# Altium PCB PCM2912_CODEC_PANEL.PcbDoc (part 1 of 3) (continued)
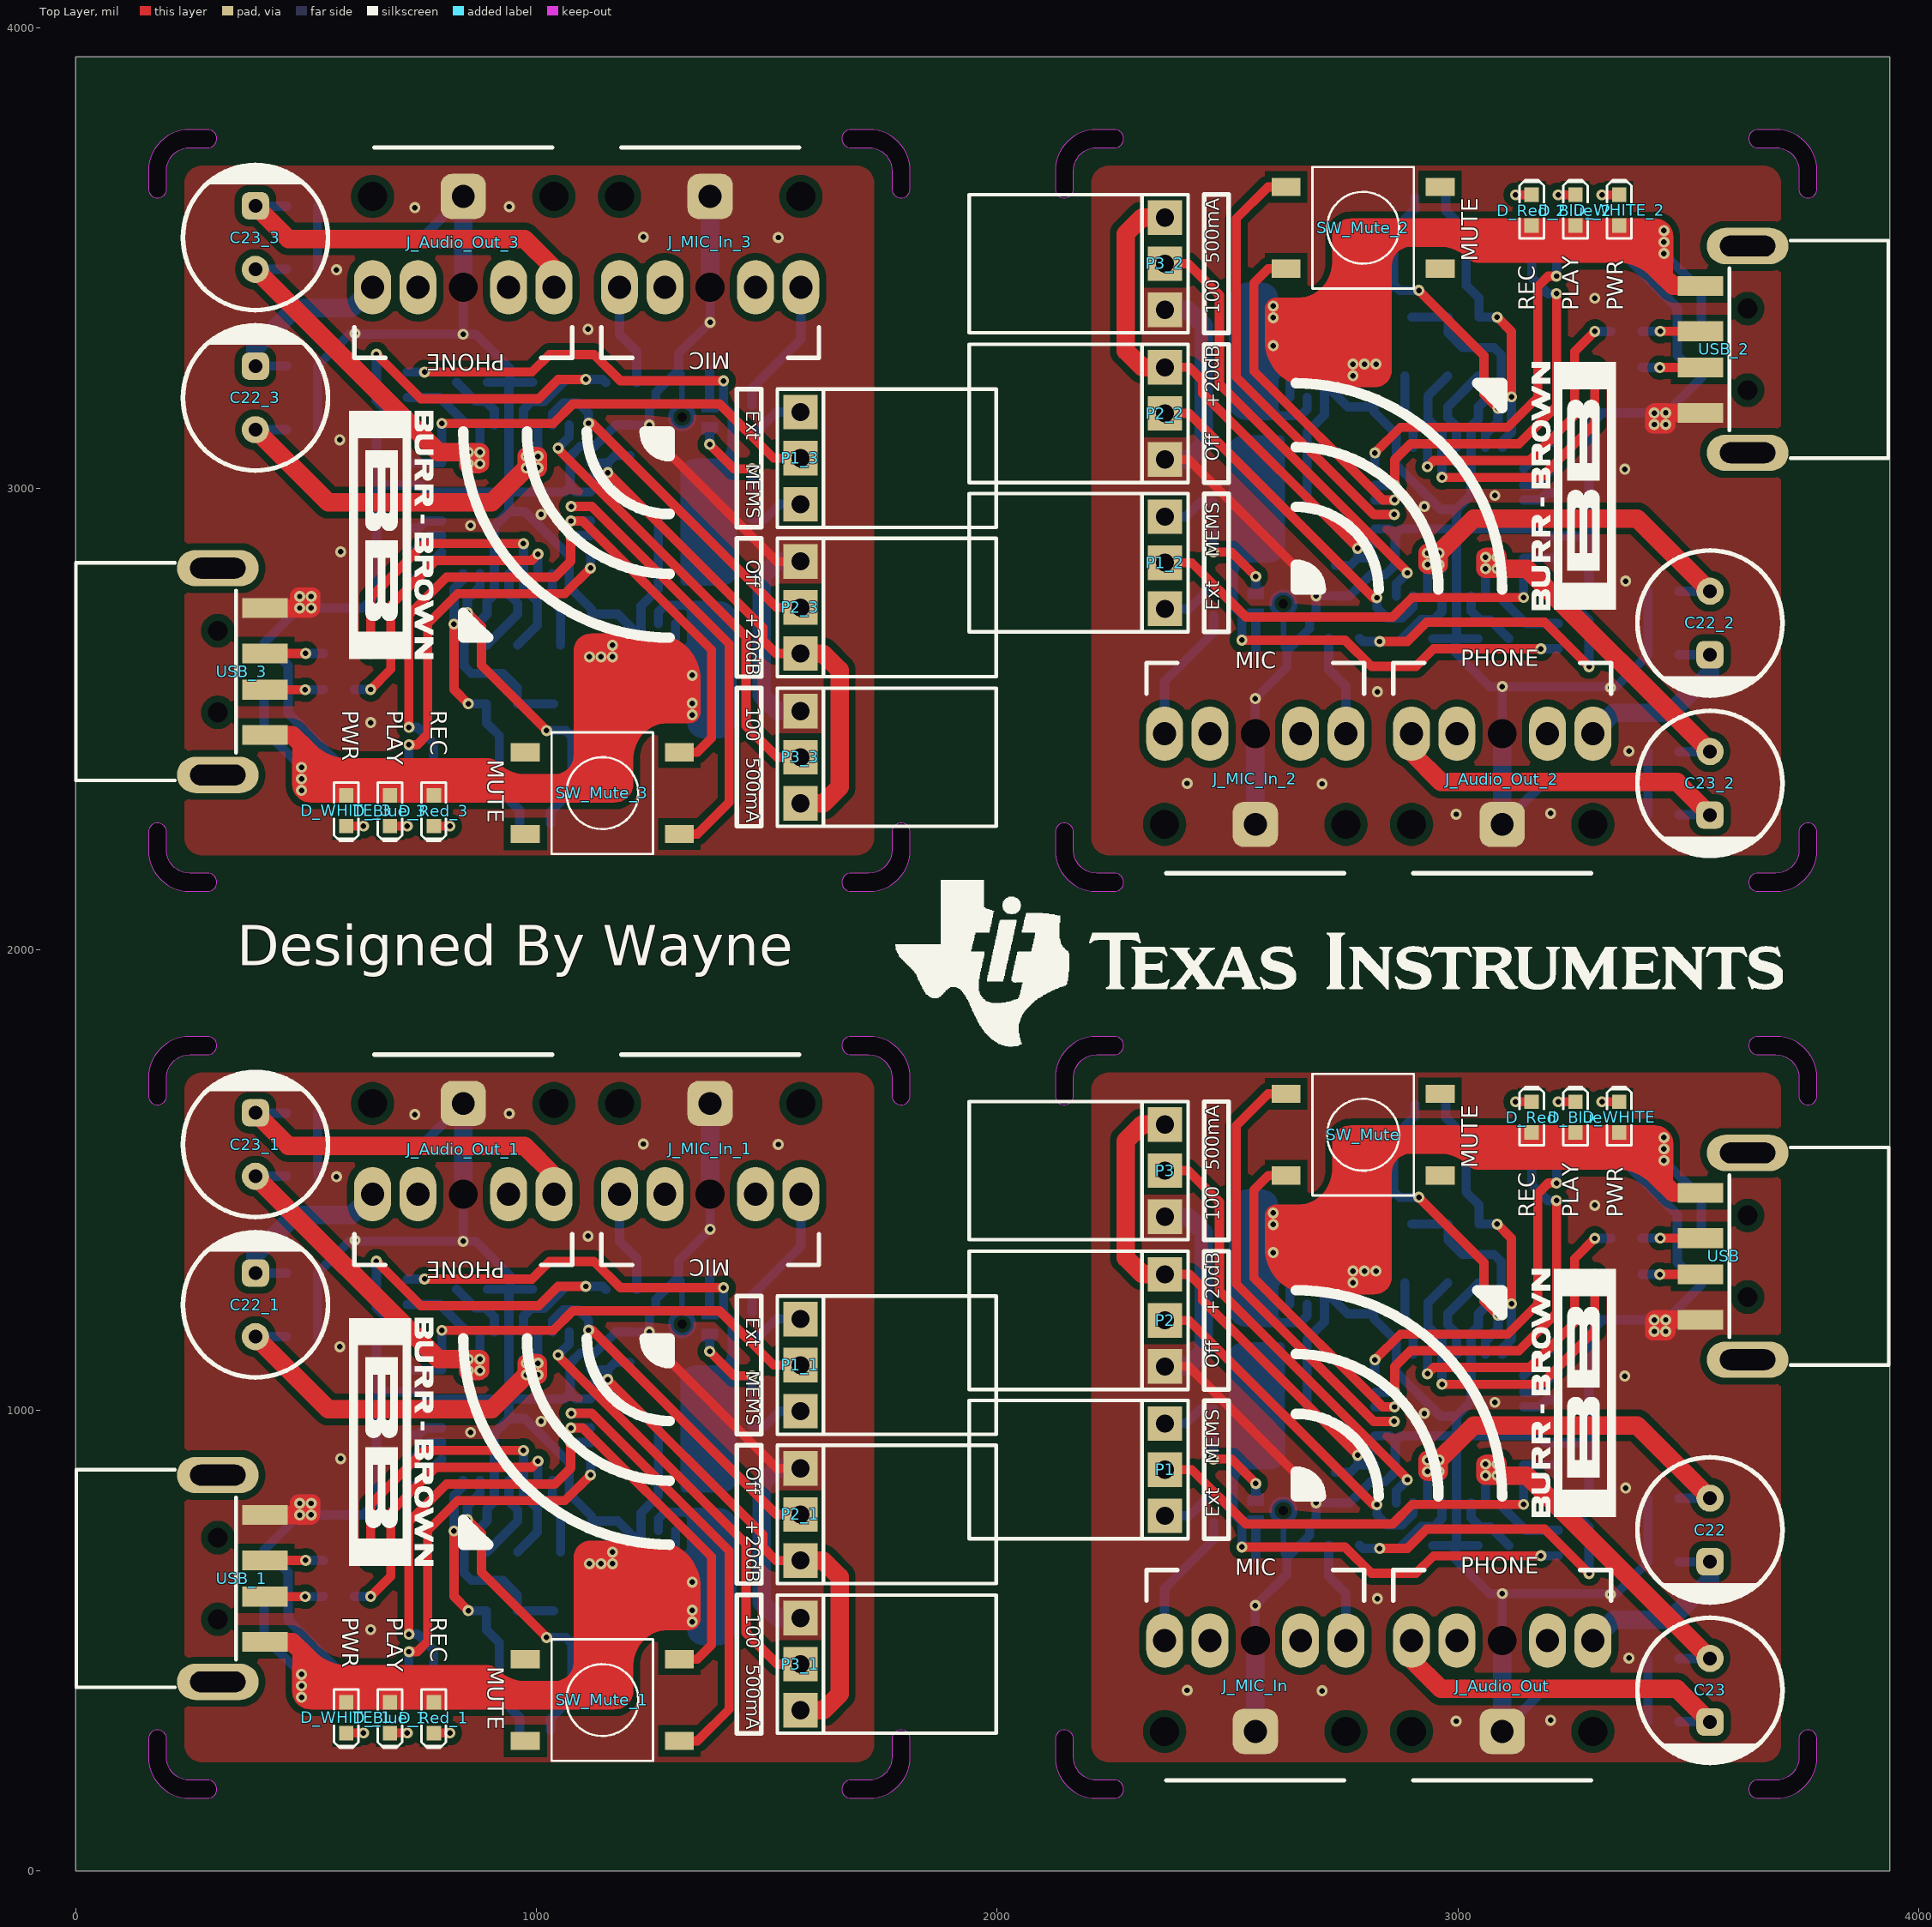
[diagram p0: Top Layer view]
## Components (designator, comment, footprint, x,y, rotation, side; value= is the part's Value field where it differs from the comment) (continued)
C13_3 "Cap_0603" CAP_0603 1297.85,2567.41 r180 bottom (schematic designator C13)
C14 "Cap_0603" CAP_0603 2639.16,1314.52 r0 bottom
C14_1 "Cap_0603" CAP_0603 1297.85,653.98 r180 bottom (schematic designator C14)
C14_2 "Cap_0603" CAP_0603 2639.16,3283.03 r0 bottom (schematic designator C14)
C14_3 "Cap_0603" CAP_0603 1297.85,2622.49 r180 bottom (schematic designator C14)
C15 "Cap_0603" CAP_0603 2639.16,1043.05 r0 bottom
C15_1 "Cap_0603" CAP_0603 1297.85,925.45 r180 bottom (schematic designator C15)
C15_2 "Cap_0603" CAP_0603 2639.16,3011.56 r0 bottom (schematic designator C15)
C15_3 "Cap_0603" CAP_0603 1297.85,2893.96 r180 bottom (schematic designator C15)
C16 "Cap_0603" CAP_0603 2639.16,987.85 r0 bottom
C16_1 "Cap_0603" CAP_0603 1297.85,980.65 r180 bottom (schematic designator C16)
C16_2 "Cap_0603" CAP_0603 2639.16,2956.35 r0 bottom (schematic designator C16)
C16_3 "Cap_0603" CAP_0603 1297.85,2949.16 r180 bottom (schematic designator C16)
C17 "Cap_0603" CAP_0603 3528.16,1333.85 r90 bottom
C17_1 "Cap_0603" CAP_0603 408.85,634.65 r270 bottom (schematic designator C17)
C17_2 "Cap_0603" CAP_0603 3528.16,3302.35 r90 bottom (schematic designator C17)
C17_3 "Cap_0603" CAP_0603 408.85,2603.16 r270 bottom (schematic designator C17)
C18 "Cap_0603" CAP_0603 2851.16,1208.85 r0 bottom
C18_1 "Cap_0603" CAP_0603 1085.85,759.65 r180 bottom (schematic designator C18)
C18_2 "Cap_0603" CAP_0603 2851.16,3177.35 r0 bottom (schematic designator C18)
C18_3 "Cap_0603" CAP_0603 1085.85,2728.16 r180 bottom (schematic designator C18)
C19 "Cap_0603" CAP_0603 2595.16,678.85 r180 bottom
C19_1 "Cap_0603" CAP_0603 1341.85,1289.65 r0 bottom (schematic designator C19)
C19_2 "Cap_0603" CAP_0603 2595.16,2647.35 r180 bottom (schematic designator C19)
C19_3 "Cap_0603" CAP_0603 1341.85,3258.16 r0 bottom (schematic designator C19)
C20 "Cap_0603" CAP_0603 2469.16,789.85 r270 bottom
C20_1 "Cap_0603" CAP_0603 1467.85,1178.65 r90 bottom (schematic designator C20)
C20_2 "Cap_0603" CAP_0603 2469.16,2758.35 r270 bottom (schematic designator C20)
C20_3 "Cap_0603" CAP_0603 1467.85,3147.16 r90 bottom (schematic designator C20)
C21 "Cap_0603" CAP_0603 3251.16,812.85 r180 bottom
C21_1 "Cap_0603" CAP_0603 685.85,1155.65 r0 bottom (schematic designator C21)
C21_2 "Cap_0603" CAP_0603 3251.16,2781.35 r180 bottom (schematic designator C21)
C21_3 "Cap_0603" CAP_0603 685.85,3124.16 r0 bottom (schematic designator C21)
C22 "Capacitor" CAP_ELEC_F3.5_D8_H11.5 3547.16,808.85 r270 top
C22_1 "Capacitor" CAP_ELEC_F3.5_D8_H11.5 389.85,1159.65 r90 top (schematic designator C22)
C22_2 "Capacitor" CAP_ELEC_F3.5_D8_H11.5 3547.16,2777.35 r270 top (schematic designator C22)
C22_3 "Capacitor" CAP_ELEC_F3.5_D8_H11.5 389.85,3128.16 r90 top (schematic designator C22)
C23 "Capacitor" CAP_ELEC_F3.5_D8_H11.5 3547.16,460.85 r270 top
C23_1 "Capacitor" CAP_ELEC_F3.5_D8_H11.5 389.85,1507.65 r90 top (schematic designator C23)
C23_2 "Capacitor" CAP_ELEC_F3.5_D8_H11.5 3547.16,2429.35 r270 top (schematic designator C23)
C23_3 "Capacitor" CAP_ELEC_F3.5_D8_H11.5 389.85,3476.16 r90 top (schematic designator C23)
D_Blue "LED_0603_BLUE" LED_0603_BLUE 3255.16,1635.85 r90 top
D_Blue_1 "LED_0603_BLUE" LED_0603_BLUE 681.85,332.65 r270 top (schematic designator D_Blue)
D_Blue_2 "LED_0603_BLUE" LED_0603_BLUE 3255.16,3604.35 r90 top (schematic designator D_Blue)
D_Blue_3 "LED_0603_BLUE" LED_0603_BLUE 681.85,2301.16 r270 top (schematic designator D_Blue)
D_Red "LED_0603_RED" LED_0603_RED 3160.16,1635.85 r90 top
D_Red_1 "LED_0603_RED" LED_0603_RED 776.85,332.65 r270 top (schematic designator D_Red)
D_Red_2 "LED_0603_RED" LED_0603_RED 3160.16,3604.35 r90 top (schematic designator D_Red)
D_Red_3 "LED_0603_RED" LED_0603_RED 776.85,2301.16 r270 top (schematic designator D_Red)
D_WHITE "LED_0603_WHITE" LED_0603_WHITE 3350.16,1635.85 r90 top
D_WHITE_1 "LED_0603_WHITE" LED_0603_WHITE 586.85,332.65 r270 top (schematic designator D_WHITE)
D_WHITE_2 "LED_0603_WHITE" LED_0603_WHITE 3350.16,3604.35 r90 top (schematic designator D_WHITE)
D_WHITE_3 "LED_0603_WHITE" LED_0603_WHITE 586.85,2301.16 r270 top (schematic designator D_WHITE)
J_Audio_Out "Generic 3.5 PhoneJack 5 Pin through-hole" "3.5 PhoneJack 5 Pin" 3096.16,302.85 r270 top
J_Audio_Out_1 "Generic 3.5 PhoneJack 5 Pin through-hole" "3.5 PhoneJack 5 Pin" 840.85,1665.65 r90 top (schematic designator J_Audio_Out)
J_Audio_Out_2 "Generic 3.5 PhoneJack 5 Pin through-hole" "3.5 PhoneJack 5 Pin" 3096.16,2271.35 r270 top (schematic designator J_Audio_Out)
J_Audio_Out_3 "Generic 3.5 PhoneJack 5 Pin through-hole" "3.5 PhoneJack 5 Pin" 840.85,3634.16 r90 top (schematic designator J_Audio_Out)
J_MIC_In "Generic 3.5 PhoneJack 5 Pin through-hole" "3.5 PhoneJack 5 Pin" 2560.16,302.85 r270 top
J_MIC_In_1 "Generic 3.5 PhoneJack 5 Pin through-hole" "3.5 PhoneJack 5 Pin" 1376.85,1665.65 r90 top (schematic designator J_MIC_In)
J_MIC_In_2 "Generic 3.5 PhoneJack 5 Pin through-hole" "3.5 PhoneJack 5 Pin" 2560.16,2271.35 r270 top (schematic designator J_MIC_In)
J_MIC_In_3 "Generic 3.5 PhoneJack 5 Pin through-hole" "3.5 PhoneJack 5 Pin" 1376.85,3634.16 r90 top (schematic designator J_MIC_In)
L1 "Ind_0603" IND_0603 2851.16,1275.85 r0 bottom
L1_1 "Ind_0603" IND_0603 1085.85,692.65 r180 bottom (schematic designator L1)
L1_2 "Ind_0603" IND_0603 2851.16,3244.35 r0 bottom (schematic designator L1)
L1_3 "Ind_0603" IND_0603 1085.85,2661.16 r180 bottom (schematic designator L1)
P1 "HDR1X3_90_2.54" HDR1X3_90_2.54 2364.16,770.85 r90 top
P1_1 "HDR1X3_90_2.54" HDR1X3_90_2.54 1572.85,1197.65 r270 top (schematic designator P1)
P1_2 "HDR1X3_90_2.54" HDR1X3_90_2.54 2364.16,2739.35 r90 top (schematic designator P1)
P1_3 "HDR1X3_90_2.54" HDR1X3_90_2.54 1572.85,3166.16 r270 top (schematic designator P1)
P2 "HDR1X3_90_2.54" HDR1X3_90_2.54 2364.16,1094.85 r90 top
P2_1 "HDR1X3_90_2.54" HDR1X3_90_2.54 1572.85,873.65 r270 top (schematic designator P2)
P2_2 "HDR1X3_90_2.54" HDR1X3_90_2.54 2364.16,3063.35 r90 top (schematic designator P2)
P2_3 "HDR1X3_90_2.54" HDR1X3_90_2.54 1572.85,2842.16 r270 top (schematic designator P2)
P3 "HDR1X3_90_2.54" HDR1X3_90_2.54 2364.16,1419.85 r90 top
P3_1 "HDR1X3_90_2.54" HDR1X3_90_2.54 1572.85,548.65 r270 top (schematic designator P3)
P3_2 "HDR1X3_90_2.54" HDR1X3_90_2.54 2364.16,3388.35 r90 top (schematic designator P3)
P3_3 "HDR1X3_90_2.54" HDR1X3_90_2.54 1572.85,2517.16 r270 top (schematic designator P3)
PCM2912A "PCM2912A" TI-S-PQFP-N32 2981.16,959.85 r270 bottom
PCM2912A_1 "PCM2912A" TI-S-PQFP-N32 955.85,1008.65 r90 bottom (schematic designator PCM2912A)
PCM2912A_2 "PCM2912A" TI-S-PQFP-N32 2981.16,2928.35 r270 bottom (schematic designator PCM2912A)
PCM2912A_3 "PCM2912A" TI-S-PQFP-N32 955.85,2977.16 r90 bottom (schematic designator PCM2912A)
R1 "Res_0603" RES_0603 3446.16,460.85 r180 bottom
R1_1 "Res_0603" RES_0603 490.85,1507.65 r0 bottom (schematic designator R1)
R1_2 "Res_0603" RES_0603 3446.16,2429.35 r180 bottom (schematic designator R1)
R1_3 "Res_0603" RES_0603 490.85,3476.16 r0 bottom (schematic designator R1)
R2 "Res_0603" RES_0603 3446.16,808.85 r180 bottom
R2_1 "Res_0603" RES_0603 490.85,1159.65 r0 bottom (schematic designator R2)
R2_2 "Res_0603" RES_0603 3446.16,2777.35 r180 bottom (schematic designator R2)
R2_3 "Res_0603" RES_0603 490.85,3128.16 r0 bottom (schematic designator R2)
R3 "Res_0603" RES_0603 3446.16,323.85 r180 bottom
R3_1 "Res_0603" RES_0603 490.85,1644.65 r0 bottom (schematic designator R3)
R3_2 "Res_0603" RES_0603 3446.16,2292.35 r180 bottom (schematic designator R3)
R3_3 "Res_0603" RES_0603 490.85,3613.16 r0 bottom (schematic designator R3)
R4 "Res_0603" RES_0603 3446.16,670.85 r180 bottom
R4_1 "Res_0603" RES_0603 490.85,1297.65 r0 bottom (schematic designator R4)
R4_2 "Res_0603" RES_0603 3446.16,2639.35 r180 bottom (schematic designator R4)
R4_3 "Res_0603" RES_0603 490.85,3266.16 r0 bottom (schematic designator R4)
R5 "Res_0603" RES_0603 3255.16,1636.85 r270 bottom
R5_1 "Res_0603" RES_0603 681.85,331.65 r90 bottom (schematic designator R5)
R5_2 "Res_0603" RES_0603 3255.16,3605.35 r270 bottom (schematic designator R5)
R5_3 "Res_0603" RES_0603 681.85,2300.16 r90 bottom (schematic designator R5)
R6 "Res_0603" RES_0603 2940.16,1663.85 r0 bottom
R6_1 "Res_0603" RES_0603 996.85,304.65 r180 bottom (schematic designator R6)
R6_2 "Res_0603" RES_0603 2940.16,3632.35 r0 bottom (schematic designator R6)
R6_3 "Res_0603" RES_0603 996.85,2273.16 r180 bottom (schematic designator R6)
R7 "Res_0603" RES_0603 3160.16,1636.85 r270 bottom
R7_1 "Res_0603" RES_0603 776.85,331.65 r90 bottom (schematic designator R7)
R7_2 "Res_0603" RES_0603 3160.16,3605.35 r270 bottom (schematic designator R7)
R7_3 "Res_0603" RES_0603 776.85,2300.16 r90 bottom (schematic designator R7)
R8 "Res_0603" RES_0603 3350.16,1636.85 r270 bottom
R8_1 "Res_0603" RES_0603 586.85,331.65 r90 bottom (schematic designator R8)
R8_2 "Res_0603" RES_0603 3350.16,3605.35 r270 bottom (schematic designator R8)
R8_3 "Res_0603" RES_0603 586.85,2300.16 r90 bottom (schematic designator R8)
R9 "Res_0603" RES_0603 3251.16,683.85 r0 bottom
R9_1 "Res_0603" RES_0603 685.85,1284.65 r180 bottom (schematic designator R9)
R9_2 "Res_0603" RES_0603 3251.16,2652.35 r0 bottom (schematic designator R9)
R9_3 "Res_0603" RES_0603 685.85,3253.16 r180 bottom (schematic designator R9)
R10 "Res_0603" RES_0603 3251.16,738.85 r0 bottom
R10_1 "Res_0603" RES_0603 685.85,1229.65 r180 bottom (schematic designator R10)
R10_2 "Res_0603" RES_0603 3251.16,2707.35 r0 bottom (schematic designator R10)
R10_3 "Res_0603" RES_0603 685.85,3198.16 r180 bottom (schematic designator R10)
R11 "Res_0603" RES_0603 2753.16,706.85 r0 bottom
R11_1 "Res_0603" RES_0603 1183.85,1261.65 r180 bottom (schematic designator R11)
R11_2 "Res_0603" RES_0603 2753.16,2675.35 r0 bottom (schematic designator R11)
R11_3 "Res_0603" RES_0603 1183.85,3230.16 r180 bottom (schematic designator R11)
R12 "Res_0603" RES_0603 3011.16,1275.85 r180 bottom
R12_1 "Res_0603" RES_0603 925.85,692.65 r0 bottom (schematic designator R12)
R12_2 "Res_0603" RES_0603 3011.16,3244.35 r180 bottom (schematic designator R12)
R12_3 "Res_0603" RES_0603 925.85,2661.16 r0 bottom (schematic designator R12)
R13 "Res_0603" RES_0603 3366.16,1372.85 r180 bottom
R13_1 "Res_0603" RES_0603 570.85,595.65 r0 bottom (schematic designator R13)
R13_2 "Res_0603" RES_0603 3366.16,3341.35 r180 bottom (schematic designator R13)
R13_3 "Res_0603" RES_0603 570.85,2564.16 r0 bottom (schematic designator R13)
R14 "Res_0603" RES_0603 3366.16,1294.85 r180 bottom
R14_1 "Res_0603" RES_0603 570.85,673.65 r0 bottom (schematic designator R14)
R14_2 "Res_0603" RES_0603 3366.16,3263.35 r180 bottom (schematic designator R14)
R14_3 "Res_0603" RES_0603 570.85,2642.16 r0 bottom (schematic designator R14)
SW_Mute "TACT Swtich SMT 6*6" "TACT Switch SMT 6*6" 2794.16,1597.85 r0 top
SW_Mute_1 "TACT Swtich SMT 6*6" "TACT Switch SMT 6*6" 1142.85,370.65 r180 top (schematic designator SW_Mute)
SW_Mute_2 "TACT Swtich SMT 6*6" "TACT Switch SMT 6*6" 2794.16,3566.35 r0 top (schematic designator SW_Mute)
SW_Mute_3 "TACT Swtich SMT 6*6" "TACT Switch SMT 6*6" 1142.85,2339.16 r180 top (schematic designator SW_Mute)
TLV70233 "TLV70233" SOT23-5 2635.16,1178.85 r270 bottom
TLV70233_1 "TLV70233" SOT23-5 1301.85,789.65 r90 bottom (schematic designator TLV70233)
TLV70233_2 "TLV70233" SOT23-5 2635.16,3147.35 r270 bottom (schematic designator TLV70233)
TLV70233_3 "TLV70233" SOT23-5 1301.85,2758.16 r90 bottom (schematic designator TLV70233)
USB "USB" USB 3735.16,1333.85 r0 top
USB_1 "USB" USB 201.85,634.65 r180 top (schematic designator USB)
USB_2 "USB" USB 3735.16,3302.35 r0 top (schematic designator USB)
USB_3 "USB" USB 201.85,2603.16 r180 top (schematic designator USB)
XTAL "XTAL_5032" XTAL_5032 2939.16,1535.85 r180 bottom
XTAL_1 "XTAL_5032" XTAL_5032 997.85,432.65 r0 bottom (schematic designator XTAL)
XTAL_2 "XTAL_5032" XTAL_5032 2939.16,3504.35 r180 bottom (schematic designator XTAL)
XTAL_3 "XTAL_5032" XTAL_5032 997.85,2401.16 r0 bottom (schematic designator XTAL)

## Footprints (in the part's own frame and the unit in brackets; to place one, negate y for a bottom-side part, rotate by r counter-clockwise, add the part's x,y. Pads: shape width x height; smd on the part's side, far side on the other; paste and mask are expansions set on the pad)
"3.5 PhoneJack 5 Pin" [mm] "Generic 3.5 PhoneJack 5 Pin  through-hole"
  round 1 hole 1.6: 0(0,5) 0(0,-5) Sleeve(-5,0)
  oval 3x2.032 hole 1.27: Ring_NC(-5,2.5) Ring_NO(-5,5) Tip_NC(-5,-2.5) Tip_NO(-5,-5)
  rrect50% 2.5x2.5 hole 1.27: Sleeve(0,0)
  silkscreen extent -8.9,-6 2.7,6, body extent -8.48,-6 6.52,6, height 10
ADMP504 [mm] "ADMP504 MEMS MICROPHONE"
  round 0.4 hole 0.5 unplated: 0(1.52,0)
  round 0.1 smd mask+0: 1(0,-0.61) 3(0,0.61)
  round 0.305 smd mask+0: 2(0.892,0) 2(1.52,-0.628) 2(1.52,0.628) 2(2.148,0)
  Top Layer circle w0.305: c1.52,0 r0.628
  Top Layer region: -0.45,-0.27 -0.45,-0.75 -0.25,-0.95 0.45,-0.95 0.45,-0.27
  Top Layer region: -0.25,0.95 -0.45,0.75 -0.45,0.27 0.45,0.27 0.45,0.95
  silkscreen extent -0.75,-1.25 2.6,1.25, body extent -0.82,-1.29 2.6,1.29, height 0.98
CAP_0603 [mm] "Chip Capacitor, Body 1.6x0.8mm, 0603, IPC Medium Density"
  rect 0.9x1 smd: 1(-0.85,0) 2(0.85,0)
  Top Layer pour cut-out: -0.4,0.6 0.4,0.6 0.4,-0.6 -0.4,-0.6
  silkscreen extent -0.18,-0.48 0.18,0.48, body extent -0.85,-0.45 0.85,0.45, height 0.89
CAP_ELEC_F3.5_D8_H11.5 [mm] "CAP_ELEC_F3.5_D8_H11.5"
  round 1.5 hole 0.75: 1(0,0)
  rrect50% 1.5x1.5 hole 0.75: 2(3.5,0)
  silkscreen extent -2.25,-4 5.75,4, body extent -2.27,-4.03 5.78,4.03, height 12.03
HDR1X3_90_2.54 [mm] "Connector; Header; 3 Position"
  rect 1.905x1.905 hole 1: 1(0,0) 2(2.54,0) 3(5.08,0)
  silkscreen extent -1.27,-1.27 6.35,10.8, body extent -1.17,-0.38 6.25,10.76, height 2.52
IND_0603 [mm] "Chip bead, Body 1.6x0.8mm, 0603, IPC Medium Density"
  rect 0.9x1 smd: 1(-0.85,0) 2(0.85,0)
  Top Layer pour cut-out: -0.4,0.6 0.4,0.6 0.4,-0.6 -0.4,-0.6
  silkscreen extent -0.15,-0.41 0.15,0.41, body extent -0.8,-0.4 0.8,0.4, height 0.79
LED_0603_BLUE [mm] "Chip Capacitor, 2-Leads, Body 1.6x0.8mm, IPC Medium Density"
  rect 0.8x0.8 smd: 1(-0.85,0) 2(0.85,0)
  Top Layer pour cut-out: -0.5,0.5 0.5,0.5 0.5,-0.5 -0.5,-0.5
  silkscreen extent -1.55,-0.67 1.68,0.67, body extent -0.8,-0.4 0.8,0.4, height 0.75
LED_0603_RED [mm] "Chip Capacitor, 2-Leads, Body 1.6x0.8mm, IPC Medium Density"
  rect 0.8x0.8 smd: 1(-0.85,0) 2(0.85,0)
  Top Layer pour cut-out: -0.5,0.5 0.5,0.5 0.5,-0.5 -0.5,-0.5
  silkscreen extent -1.55,-0.67 1.68,0.67, body extent -0.8,-0.4 0.8,0.4, height 0.75
LED_0603_WHITE [mm] "Chip Capacitor, 2-Leads, Body 1.6x0.8mm, IPC Medium Density"
  rect 0.8x0.8 smd: 1(-0.85,0) 2(0.85,0)
  Top Layer pour cut-out: -0.5,0.5 0.5,0.5 0.5,-0.5 -0.5,-0.5
  silkscreen extent -1.55,-0.67 1.68,0.67, body extent -0.8,-0.4 0.8,0.4, height 0.75
RES_0603 [mm]
  rect 0.9x1 smd: 1(-0.85,0) 2(0.85,0)
  Top Layer pour cut-out: -0.4,0.6 0.4,0.6 0.4,-0.6 -0.4,-0.6
  silkscreen extent -0.15,-0.41 0.15,0.41, body extent -0.87,-0.47 0.88,0.48, height 0.54
SOT23-5 [mm]
  round 0.5 on Mech14: 0(0,0)
  rrect25% 1x0.6 smd: 1(-1.3,0.95) 2(-1.3,0) 3(-1.3,-0.95) 4(1.3,-0.95) 5(1.3,0.95)
  silkscreen extent -0.51,-1.35 0.51,1.35, body extent -1.4,-1.45 1.4,1.45, height 1.44
"TACT Switch SMT 6*6" [mm] "TACT Switch SMT 6*6"
  round 0.508 on Mech14: 0(0,0)
  rect 1.6x1 smd: 1(-4.25,2.25) 1(4.25,2.25) 2(-4.25,-2.25) 2(4.25,-2.25)
  silkscreen extent -2.79,-3.35 2.79,3.35, body extent -5,-3 5,3, height 5.07
TI-S-PQFP-N32 [mm] "TQFP, 32-Leads, Body 7.00x7.00mm, Pitch 0.80mm, IPC High Density"
  rrect50% 1.3x0.8 smd: 1(-4.1,2.925) 8(-4.1,-2.925) 17(4.1,-2.925) 24(4.1,2.925)
  oval 1.3x0.55 smd: 2(-4.1,2) 3(-4.1,1.2) 4(-4.1,0.4) 5(-4.1,-0.4) 6(-4.1,-1.2) 7(-4.1,-2) 18(4.1,-2) 19(4.1,-1.2) 20(4.1,-0.4) 21(4.1,0.4) 22(4.1,1.2) 23(4.1,2)
  rrect50% 0.8x1.3 smd: 9(-2.925,-4.1) 16(2.925,-4.1) 25(2.925,4.1) 32(-2.925,4.1)
  oval 0.55x1.3 smd: 10(-2,-4.1) 11(-1.2,-4.1) 12(-0.4,-4.1) 13(0.4,-4.1) 14(1.2,-4.1) 15(2,-4.1) 26(2,4.1) 27(1.2,4.1) 28(0.4,4.1) 29(-0.4,4.1) 30(-1.2,4.1) 31(-2,4.1)
  silkscreen extent -3.05,-3.05 3.05,3.05, body extent -4.51,-4.5 4.49,4.5, height 1.6
USB [mm] "Connector; USB1.1, Type A, SM; 4 Position; Right Angle"
  round 0.8 hole 1.1: 0(-2.7,-2.25) 0(-2.7,2.25)
  rect 2.5x1.1 smd: 1(-5.3,3.5) 2(-5.3,1) 3(-5.3,-1) 4(-5.3,-3.5)
  oval 4.5x2 hole 1.143 slot 3.048 at 0 deg: 5(-2.7,-5.7) 6(-2.7,5.7)
  silkscreen extent -3.7,-6 5.08,6, body extent -5.3,-6.3 15,6.31, height 3.15
XTAL_5032 [mm] "Molded Capacitor, 2-Leads, Body 5.0x3.2mm, IPC Medium Density"
  rect 2x2.4 smd: 1(-2,0) 2(2,0)
  silkscreen extent -2.6,-1.75 2.6,1.75, body extent -2.5,-1.6 2.5,1.6, height 1

## Part data
ADMP504 ADMP504_1 ADMP504_2 ADMP504_3: "ADMP504 Analog Output MEMS Microphone"
C1 C1_1 C1_2 C1_3 C2 C2_1 C2_2 C2_3 C3 C3_1 C3_2 C3_3 C4 C4_1 C4_2 C4_3 C5 C5_1 C5_2 C5_3 C6 C6_1 C6_2 C6_3 C7 C7_1 C7_2 C7_3 C8 C8_1 C8_2 C8_3 C9 C9_1 C9_2 C9_3 C10 C10_1 C10_2 C10_3 C11 C11_1 C11_2 C11_3 C12 C12_1 C12_2 C12_3 C13 C13_1 C13_2 C13_3 C14 C14_1 C14_2 C14_3 C15 C15_1 C15_2 C15_3 C16 C16_1 C16_2 C16_3 C17 C17_1 C17_2 C17_3 C18 C18_1 C18_2 C18_3 C19 C19_1 C19_2 C19_3 C20 C20_1 C20_2 C20_3 C21 C21_1 C21_2 C21_3: "Capacitor"
C22 C22_1 C22_2 C22_3 C23 C23_1 C23_2 C23_3: library part Cap_ELEC_8*11.5*3.5, "Cap_ELEC_8*11.5*3.5"
D_Blue D_Blue_1 D_Blue_2 D_Blue_3 D_Red D_Red_1 D_Red_2 D_Red_3 D_WHITE D_WHITE_1 D_WHITE_2 D_WHITE_3: "LED"
L1 L1_1 L1_2 L1_3: "Inductor"
P1 P1_1 P1_2 P1_3 P2 P2_1 P2_2 P2_3 P3 P3_1 P3_2 P3_3: "Header"
PCM2912A PCM2912A_1 PCM2912A_2 PCM2912A_3: "PCM2912A USB CODEC"
R1 R1_1 R1_2 R1_3 R2 R2_1 R2_2 R2_3 R3 R3_1 R3_2 R3_3 R4 R4_1 R4_2 R4_3 R5 R5_1 R5_2 R5_3 R6 R6_1 R6_2 R6_3 R7 R7_1 R7_2 R7_3 R8 R8_1 R8_2 R8_3 R9 R9_1 R9_2 R9_3 R10 R10_1 R10_2 R10_3 R11 R11_1 R11_2 R11_3 R12 R12_1 R12_2 R12_3 R13 R13_1 R13_2 R13_3 R14 R14_1 R14_2 R14_3: "Resistor"
TLV70233 TLV70233_1 TLV70233_2 TLV70233_3: "300mA LDO SOT-23"
XTAL XTAL_1 XTAL_2 XTAL_3: "Crystal Oscillator"

## Via types
v1: diameter 24, hole 12, Top Layer to Bottom Layer, 268 vias

## Nets (pads, with @x,y where several pads share a name; then routed paths per layer and width w, separated by ;. In a path a pad name is that pad's centre, name@x,y a point inside that pad or via, vN(x,y) a via of type N, cw(c..) or ccw(c..) an arc to the next point about the centre after c; other vN are vias at no path point)
pads on no net: ADMP504.0 ADMP504.1 ADMP504.2 ADMP504.3 ADMP504_1.0 ADMP504_1.1 ADMP504_1.2 ADMP504_1.3 ADMP504_2.0 ADMP504_2.1 ADMP504_2.2 ADMP504_2.3 ADMP504_3.0 ADMP504_3.1 ADMP504_3.2 ADMP504_3.3 C1.1 C1.2 C1_1.1 C1_1.2 C1_2.1 C1_2.2 C1_3.1 C1_3.2 C2.1 C2.2 C2_1.1 C2_1.2 C2_2.1 C2_2.2 C2_3.1 C2_3.2 C3.1 C3.2 C3_1.1 C3_1.2 C3_2.1 C3_2.2 C3_3.1 C3_3.2 C4.1 C4.2 C4_1.1 C4_1.2 C4_2.1 C4_2.2 C4_3.1 C4_3.2 C5.1 C5.2 C5_1.1 C5_1.2 C5_2.1 C5_2.2 C5_3.1 C5_3.2 C6.1 C6.2 C6_1.1 C6_1.2 C6_2.1 C6_2.2 C6_3.1 C6_3.2 C7.1 C7.2 C7_1.1 C7_1.2 C7_2.1 C7_2.2 C7_3.1 C7_3.2 C8.1 C8.2 C8_1.1 C8_1.2 C8_2.1 C8_2.2 C8_3.1 C8_3.2 C9.1 C9.2 C9_1.1 C9_1.2 C9_2.1 C9_2.2 C9_3.1 C9_3.2 C10.1 C10.2 C10_1.1 C10_1.2 C10_2.1 C10_2.2 C10_3.1 C10_3.2 C11.1 C11.2 C11_1.1 C11_1.2 C11_2.1 C11_2.2 C11_3.1 C11_3.2 C12.1 C12.2 C12_1.1 C12_1.2 C12_2.1 C12_2.2 C12_3.1 C12_3.2 C13.1 C13.2 C13_1.1 C13_1.2 C13_2.1 C13_2.2 C13_3.1 C13_3.2 C14.1 C14.2 C14_1.1 C14_1.2 C14_2.1 C14_2.2 C14_3.1 C14_3.2 C15.1 C15.2 C15_1.1 C15_1.2 C15_2.1 C15_2.2 C15_3.1 C15_3.2 C16.1 C16.2 C16_1.1 C16_1.2 C16_2.1 C16_2.2 C16_3.1 C16_3.2 C17.1 C17.2 C17_1.1 C17_1.2 C17_2.1 C17_2.2 C17_3.1 C17_3.2 C18.1 C18.2 C18_1.1 C18_1.2 C18_2.1 C18_2.2 C18_3.1 C18_3.2 C19.1 C19.2 C19_1.1 C19_1.2 C19_2.1 C19_2.2 C19_3.1 C19_3.2 C20.1 C20.2 C20_1.1 C20_1.2 C20_2.1 C20_2.2 C20_3.1 C20_3.2 C21.1 C21.2 C21_1.1 C21_1.2 C21_2.1 C21_2.2 C21_3.1 C21_3.2 C22.1 C22.2 C22_1.1 C22_1.2 C22_2.1 C22_2.2 C22_3.1 C22_3.2 C23.1 C23.2 C23_1.1 C23_1.2 C23_2.1 C23_2.2 C23_3.1 C23_3.2 D_Blue.1 D_Blue.2 D_Blue_1.1 D_Blue_1.2 D_Blue_2.1 D_Blue_2.2 D_Blue_3.1 D_Blue_3.2 D_Red.1 D_Red.2 D_Red_1.1 D_Red_1.2 D_Red_2.1 D_Red_2.2 D_Red_3.1 D_Red_3.2 D_WHITE.1 D_WHITE.2 D_WHITE_1.1 D_WHITE_1.2 D_WHITE_2.1 D_WHITE_2.2 D_WHITE_3.1 D_WHITE_3.2 J_Audio_Out.0 J_Audio_Out.Ring_NC J_Audio_Out.Ring_NO J_Audio_Out.Sleeve J_Audio_Out.Tip_NC J_Audio_Out.Tip_NO J_Audio_Out_1.0 J_Audio_Out_1.Ring_NC J_Audio_Out_1.Ring_NO J_Audio_Out_1.Sleeve J_Audio_Out_1.Tip_NC J_Audio_Out_1.Tip_NO J_Audio_Out_2.0 J_Audio_Out_2.Ring_NC J_Audio_Out_2.Ring_NO J_Audio_Out_2.Sleeve J_Audio_Out_2.Tip_NC J_Audio_Out_2.Tip_NO J_Audio_Out_3.0 J_Audio_Out_3.Ring_NC J_Audio_Out_3.Ring_NO J_Audio_Out_3.Sleeve J_Audio_Out_3.Tip_NC J_Audio_Out_3.Tip_NO J_MIC_In.0 J_MIC_In.Ring_NC J_MIC_In.Ring_NO J_MIC_In.Sleeve J_MIC_In.Tip_NC J_MIC_In.Tip_NO J_MIC_In_1.0 J_MIC_In_1.Ring_NC J_MIC_In_1.Ring_NO J_MIC_In_1.Sleeve J_MIC_In_1.Tip_NC J_MIC_In_1.Tip_NO J_MIC_In_2.0 J_MIC_In_2.Ring_NC J_MIC_In_2.Ring_NO J_MIC_In_2.Sleeve J_MIC_In_2.Tip_NC J_MIC_In_2.Tip_NO J_MIC_In_3.0 J_MIC_In_3.Ring_NC J_MIC_In_3.Ring_NO J_MIC_In_3.Sleeve J_MIC_In_3.Tip_NC J_MIC_In_3.Tip_NO L1.1 L1.2 L1_1.1 L1_1.2 L1_2.1 L1_2.2 L1_3.1 L1_3.2 P1.1 P1.2 P1.3 P1_1.1 P1_1.2 P1_1.3 P1_2.1 P1_2.2 P1_2.3 P1_3.1 P1_3.2 P1_3.3 P2.1 P2.2 P2.3 P2_1.1 P2_1.2 P2_1.3 P2_2.1 P2_2.2 P2_2.3 P2_3.1 P2_3.2 P2_3.3 P3.1 P3.2 P3.3 P3_1.1 P3_1.2 P3_1.3 P3_2.1 P3_2.2 P3_2.3 P3_3.1 P3_3.2 P3_3.3 PCM2912A.1 PCM2912A.2 PCM2912A.3 PCM2912A.4 PCM2912A.5 PCM2912A.6 PCM2912A.7 PCM2912A.8 PCM2912A.9 PCM2912A.10 PCM2912A.11 PCM2912A.12 PCM2912A.13 PCM2912A.14 PCM2912A.15 PCM2912A.16 PCM2912A.17 PCM2912A.18 PCM2912A.19 PCM2912A.20 PCM2912A.21 PCM2912A.22 PCM2912A.23 PCM2912A.24 PCM2912A.25 PCM2912A.26 PCM2912A.27 PCM2912A.28 PCM2912A.29 PCM2912A.30 PCM2912A.31 PCM2912A.32 PCM2912A_1.1 PCM2912A_1.2 PCM2912A_1.3 PCM2912A_1.4 PCM2912A_1.5 PCM2912A_1.6 PCM2912A_1.7 PCM2912A_1.8 PCM2912A_1.9 PCM2912A_1.10 PCM2912A_1.11 PCM2912A_1.12 PCM2912A_1.13 PCM2912A_1.14 PCM2912A_1.15 PCM2912A_1.16 PCM2912A_1.17 PCM2912A_1.18 PCM2912A_1.19 PCM2912A_1.20 PCM2912A_1.21 PCM2912A_1.22 PCM2912A_1.23 PCM2912A_1.24 PCM2912A_1.25 PCM2912A_1.26 PCM2912A_1.27 PCM2912A_1.28 PCM2912A_1.29 PCM2912A_1.30 PCM2912A_1.31 PCM2912A_1.32 PCM2912A_2.1 PCM2912A_2.2 PCM2912A_2.3 PCM2912A_2.4 PCM2912A_2.5 PCM2912A_2.6 PCM2912A_2.7 PCM2912A_2.8 PCM2912A_2.9 PCM2912A_2.10 PCM2912A_2.11 PCM2912A_2.12 PCM2912A_2.13 PCM2912A_2.14 PCM2912A_2.15 PCM2912A_2.16 PCM2912A_2.17 PCM2912A_2.18 PCM2912A_2.19 PCM2912A_2.20 PCM2912A_2.21 PCM2912A_2.22 PCM2912A_2.23 PCM2912A_2.24 PCM2912A_2.25 PCM2912A_2.26 PCM2912A_2.27 PCM2912A_2.28 PCM2912A_2.29 PCM2912A_2.30 PCM2912A_2.31 PCM2912A_2.32 PCM2912A_3.1 PCM2912A_3.2 PCM2912A_3.3 PCM2912A_3.4 PCM2912A_3.5 PCM2912A_3.6 PCM2912A_3.7 PCM2912A_3.8 PCM2912A_3.9 PCM2912A_3.10 PCM2912A_3.11 PCM2912A_3.12 PCM2912A_3.13 PCM2912A_3.14 PCM2912A_3.15 PCM2912A_3.16 PCM2912A_3.17 PCM2912A_3.18 PCM2912A_3.19 PCM2912A_3.20 PCM2912A_3.21 PCM2912A_3.22 PCM2912A_3.23 PCM2912A_3.24 PCM2912A_3.25 PCM2912A_3.26 PCM2912A_3.27 PCM2912A_3.28 PCM2912A_3.29 PCM2912A_3.30 PCM2912A_3.31 PCM2912A_3.32 R1.1 R1.2 R1_1.1 R1_1.2 R1_2.1 R1_2.2 R1_3.1 R1_3.2 R2.1 R2.2 R2_1.1 R2_1.2 R2_2.1 R2_2.2 R2_3.1 R2_3.2 R3.1 R3.2 R3_1.1 R3_1.2 R3_2.1 R3_2.2 R3_3.1 R3_3.2 R4.1 R4.2 R4_1.1 R4_1.2 R4_2.1 R4_2.2 R4_3.1 R4_3.2 R5.1 R5.2 R5_1.1 R5_1.2 R5_2.1 R5_2.2 R5_3.1 R5_3.2 R6.1 R6.2 R6_1.1 R6_1.2 R6_2.1 R6_2.2 R6_3.1 R6_3.2 R7.1 R7.2 R7_1.1 R7_1.2 R7_2.1 R7_2.2 R7_3.1 R7_3.2 R8.1 R8.2 R8_1.1 R8_1.2 R8_2.1 R8_2.2 R8_3.1 R8_3.2 R9.1 R9.2 R9_1.1 R9_1.2 R9_2.1 R9_2.2 R9_3.1 R9_3.2 R10.1 R10.2 R10_1.1 R10_1.2 R10_2.1 R10_2.2 R10_3.1 R10_3.2 R11.1 R11.2 R11_1.1 R11_1.2 R11_2.1 R11_2.2 R11_3.1 R11_3.2 R12.1 R12.2 R12_1.1 R12_1.2 R12_2.1 R12_2.2 R12_3.1 R12_3.2 R13.1 R13.2 R13_1.1 R13_1.2 R13_2.1 R13_2.2 R13_3.1 R13_3.2 R14.1 R14.2 R14_1.1 R14_1.2 R14_2.1 R14_2.2 R14_3.1 R14_3.2 SW_Mute.0 SW_Mute.1 SW_Mute.2 SW_Mute_1.0 SW_Mute_1.1 SW_Mute_1.2 SW_Mute_2.0 SW_Mute_2.1 SW_Mute_2.2 SW_Mute_3.0 SW_Mute_3.1 SW_Mute_3.2 TLV70233.0 TLV70233.1 TLV70233.2 TLV70233.3 TLV70233.4 TLV70233.5 TLV70233_1.0 TLV70233_1.1 TLV70233_1.2 TLV70233_1.3 TLV70233_1.4 TLV70233_1.5 TLV70233_2.0 TLV70233_2.1 TLV70233_2.2 TLV70233_2.3 TLV70233_2.4 TLV70233_2.5 TLV70233_3.0 TLV70233_3.1 TLV70233_3.2 TLV70233_3.3 TLV70233_3.4 TLV70233_3.5 USB.0 USB.1 USB.2 USB.3 USB.4 USB.5 USB.6 USB_1.0 USB_1.1 USB_1.2 USB_1.3 USB_1.4 USB_1.5 USB_1.6 USB_2.0 USB_2.1 USB_2.2 USB_2.3 USB_2.4 USB_2.5 USB_2.6 USB_3.0 USB_3.1 USB_3.2 USB_3.3 USB_3.4 USB_3.5 USB_3.6 XTAL.1 XTAL.2 XTAL_1.1 XTAL_1.2 XTAL_2.1 XTAL_2.2 XTAL_3.1 XTAL_3.2